# KiCad board AmigaPCI 68040.kicad_pcb (continued)
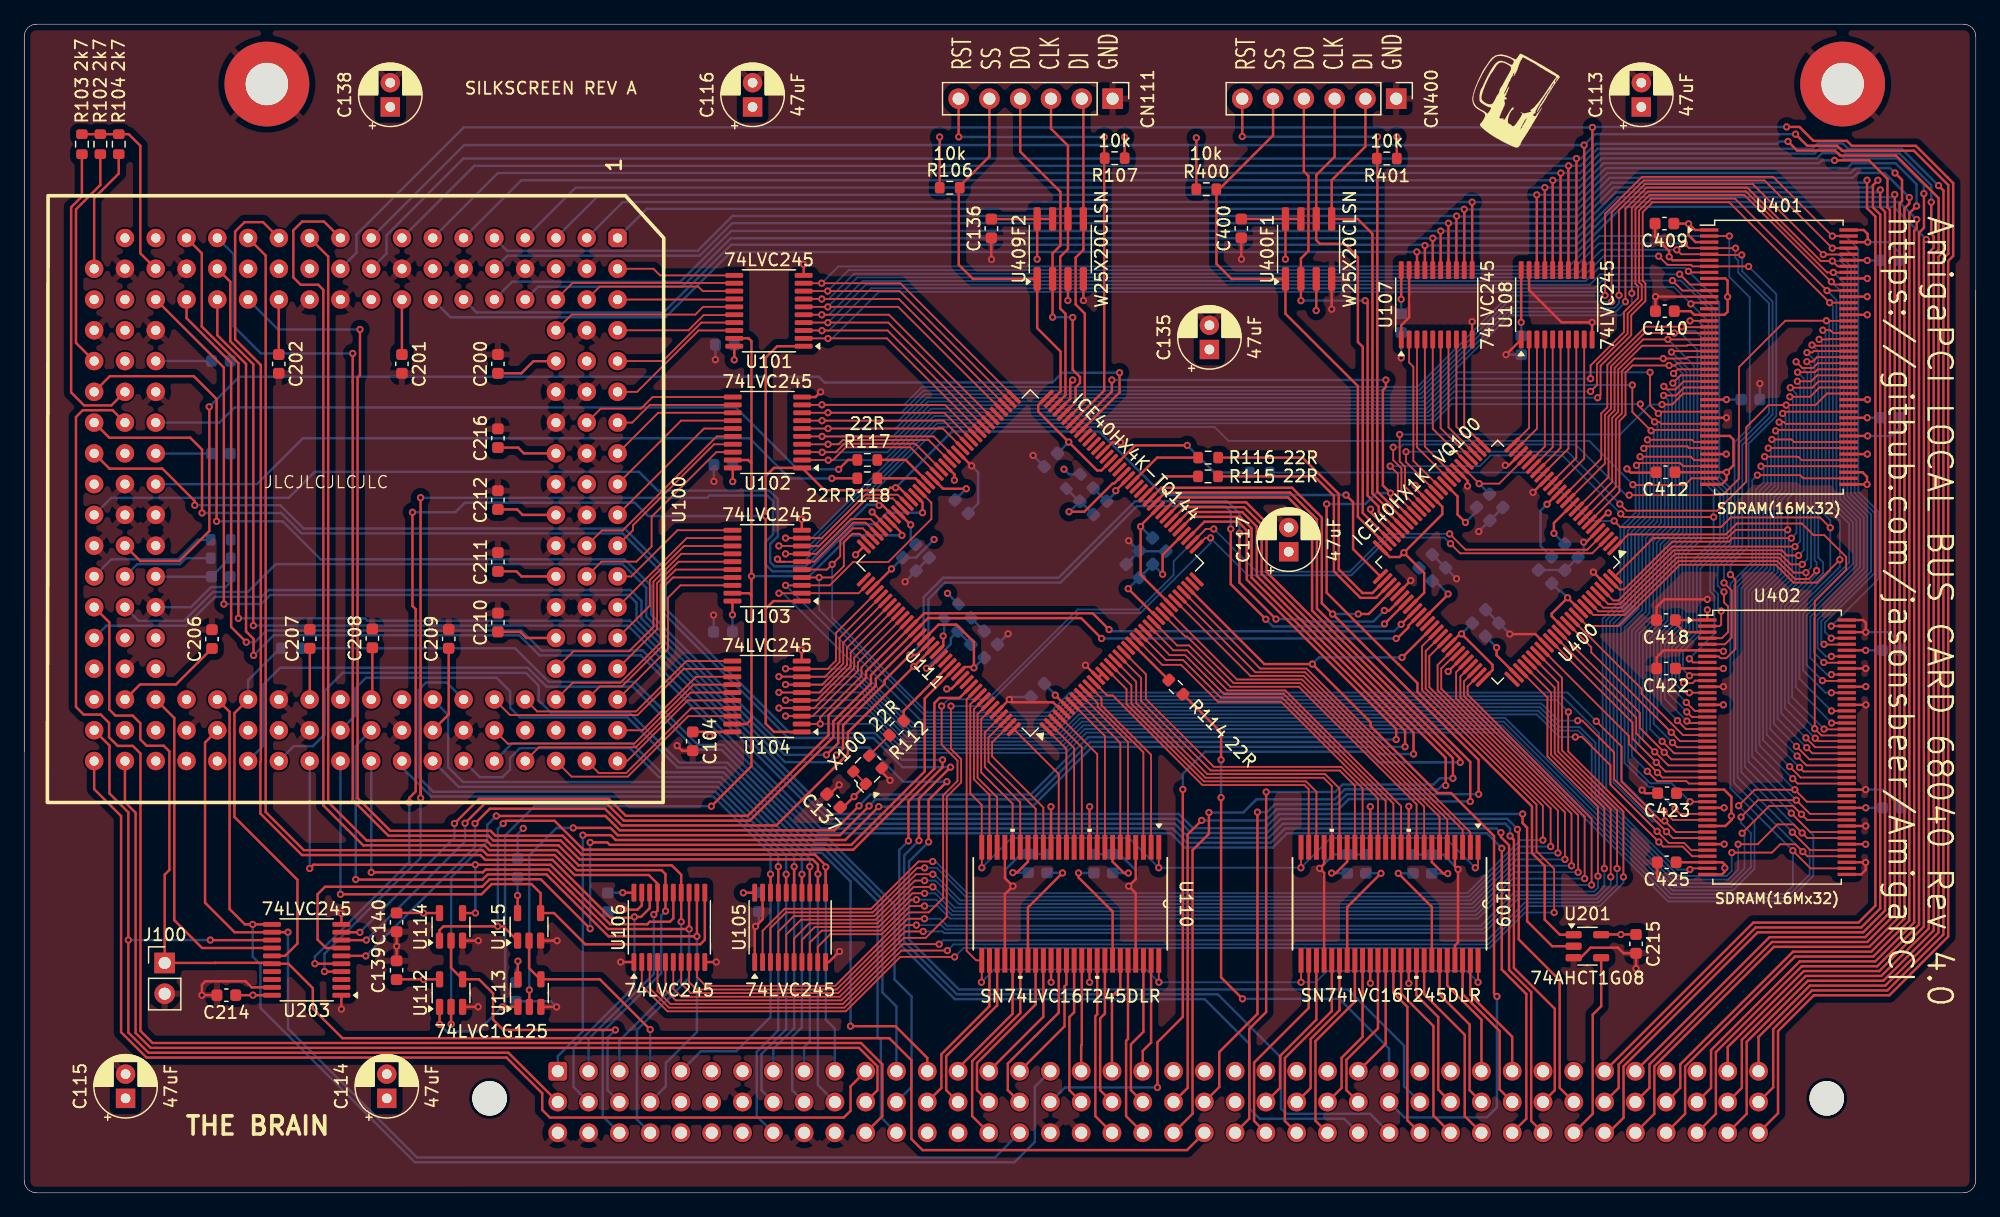
[diagram p0: board, top side]
## Routing (per net, layer and track width the routed paths; a pad name or vN(x,y) marks a point on that pad's centre or on a via; arc(x,y) is an arc through that point) (continued)
LVDA28: length 154.3
  Top w0.15: U111.119 69.07,43.37 69.07,42.66 65.67,39.26 v1(65.67,38.71) 65.66,38.7 U104.2 ; v1(145.78,31.34) 147.34,29.78 U402.51 ; U401.51 146.01,61.98 145.8,62.19 v1(144.18,62.19)
  Bottom w0.15: v1(65.67,38.71) 69.98,38.71 72.38,36.31 85.94,36.31 87.62,37.99 121.68,37.99 135.62,24.05 145.48,24.05 147.6,26.17 147.6,29.53 v1(145.78,31.34) 141.95,35.17 141.95,49.79 143.76,51.6 143.76,57.67 144.41,58.32 144.41,61.96 v1(144.18,62.19)
LVDA29: length 157.3
  Top w0.15: v1(141.72,29.69) 143.97,31.93 145.93,31.93 v1(146.62,31.25) 147.08,30.78 U402.53 ; 64.15,42.61 62.26,42.61 ; v1(144.48,62.9) 144.56,62.98 U401.53 ; U111.113 67.27,45.81 67.27,43.81 66.06,42.6 U104.8
  Bottom w0.15: v1(62.26,42.61) 68.62,42.61 73.08,38.15 85.24,38.15 86.88,39.79 124.91,39.79 126.55,38.15 128.2,38.15 129.32,37.03 129.32,32.48 136.24,25.56 140.7,25.56 141.92,26.78 141.92,29.49 v1(141.72,29.69) ; v1(144.48,62.9) 144.71,62.68 144.71,58.2 144.06,57.55 144.06,51.47 142.25,49.67 142.25,35.61 v1(146.62,31.25)
LVDA30: length 155.7
  Top w0.15: 64.15,41.3 62.26,41.3 ; U401.54 145.32,63.48 145.18,63.62 v1(144.78,63.62) ; v1(141.63,31.02) 143.03,32.41 v1(146.2,32.41) 147.33,31.28 U402.54 ; U111.115 67.87,44.99 67.87,43.56 65.61,41.3 U104.6
  Bottom w0.15: v1(146.2,32.41) 142.55,36.06 142.55,49.54 144.36,51.35 144.36,57.42 145.01,58.07 145.01,63.4 v1(144.78,63.62) ; v1(141.63,31.02) 141.63,30.52 142.45,29.7 142.45,26.88 140.83,25.26 136.11,25.26 122.18,39.19 87.13,39.19 85.49,37.55 72.84,37.55 69.08,41.31 v1(62.26,41.31)
LVDA31: length 155.9
  Top w0.15: U111.116 68.17,44.59 68.17,43.55 68.17,43.54 68.17,43.44 65.38,40.65 U104.5 ; 64.16,40.66 62.82,40.66 ; v1(145.06,64.34) 145.21,64.48 U401.56 ; v1(141.44,31.95) 142.76,33.27 v1(146.08,33.27) 147.07,32.28 U402.56
  Bottom w0.15: v1(145.06,64.34) 145.31,64.1 145.31,57.95 144.66,57.3 144.66,51.22 142.85,49.42 142.85,36.49 146.07,33.27 v1(146.08,33.27) ; v1(62.81,40.67) 69.3,40.67 72.71,37.25 85.61,37.25 87.25,38.89 122.06,38.89 135.99,24.96 140.95,24.96 142.75,26.75 142.75,30.64 v1(141.44,31.95)
LVDB0: length 33.1
  Top w0.15: U109.2 119.3,29.76 105.79,43.27 101.97,43.27 U111.33
LVDB1: length 31.5
  Top w0.15: U111.28 95.79,45.92 95.93,45.92 99.78,42.07 105.3,42.07 115.49,31.88 U109.8
LVDB2: length 32.2
  Top w0.15: U111.31 101.16,42.67 105.54,42.67 117.4,30.82 U109.5
LVDB3: length 32.8
  Top w0.15: U109.3 118.67,29.97 105.67,42.97 101.56,42.97 U111.32
LVDB4: length 32.1
  Top w0.15: U109.6 116.76,31.03 105.42,42.37 100.04,42.37 U111.29
LVDB5: length 30.3
  Top w0.15: U109.11 113.59,31.92 104.03,41.47 99.25,41.47 95.93,44.78 94.8,44.78 U111.25
LVDB6: length 31.5
  Top w0.15: U109.9 114.86,29.75 114.87,29.76 114.87,32.08 105.17,41.77 99.51,41.77 96.1,45.18 95.11,45.18 U111.26
LVDB7: length 30
  Top w0.15: U109.12 112.95,32.13 103.91,41.17 98.98,41.17 95.77,44.38 94.5,44.38 U111.24
LVDB8: length 29.7
  Top w0.15: U111.23 94.19,43.98 95.6,43.98 98.71,40.87 103.79,40.87 112.32,32.34 U109.13
LVDB9: length 29.4
  Top w0.15: U111.22 93.88,43.58 95.44,43.58 98.49,40.53 103.7,40.53 111.68,32.55 U109.14
LVDB10: length 30
  Top w0.15: U109.17 109.78,33.61 108.52,34.86 97.87,34.86 92.14,40.6 92.14,42.5 U111.18
LVDB11: length 30.4
  Top w0.15: U109.16 110.41,33.4 108.65,35.16 98.14,35.16 92.54,40.76 92.54,42.81 U111.19
LVDB12: length 28.3
  Top w0.15: U109.20 107.87,33.58 107.19,34.26 97.45,34.26 91.34,40.37 91.34,41.88 U111.16
LVDB13: length 26.2
  Top w0.15: U109.23 105.97,33.32 105.62,33.66 97.2,33.66 89.81,41.05 89.34,41.05 U111.12
LVDB14: length 14.2
  Top w0.15: U110.5 91.06,37.21 U111.9
LVDB15: length 14.9
  Top w0.15: U110.3 92.33,36.37 88.56,40.13 88.56,40.42 U111.10
LVDB16: length 28.7
  Top w0.15: U109.19 108.51,33.37 107.32,34.56 97.61,34.56 91.74,40.43 91.74,42.19 U111.17
LVDB17: length 15.4
  Top w0.15: U111.11 88.88,40.81 88.88,40.25 92.97,36.16 U110.2
LVDB18: length 26.8
  Top w0.15: U109.22 106.6,30.31 106.61,30.31 106.61,33.1 105.75,33.96 97.32,33.96 90.94,40.35 90.94,41.58 U111.15
LVDB19: length 13
  Top w0.15: U110.8 89.16,37.7 U111.7
LVDB20: length 11.4
  Top w0.15: U111.3 87.25,36.78 U110.11
LVDB21: length 12.6
  Top w0.15: U110.19 82.17,32.22 79.25,35.15 79.25,37.99 U111.141
LVDB22: length 10.9
  Top w0.15: U110.12 86.62,36.71 U111.2
LVDB23: length 12.1
  Top w0.15: U111.4 88.52,36.22 U110.9
LVDB24: length 12.9
  Top w0.15: U111.138 78.65,39.51 78.65,34.26 80.27,32.64 U110.22
LVDB25: length 13.7
  Top w0.15: U111.8 90.43,37.14 U110.6
LVDB26: length 13
  Top w0.15: U110.20 81.54,32.12 78.95,34.7 78.95,39.1 U111.139
LVDB27: length 11.3
  Top w0.15: U110.14 85.35,34.57 U111.144
LVDB28: length 13.1
  Top w0.15: U110.23 79.63,32.85 78.35,34.14 78.35,39.92 U111.137
LVDB29: length 10.4
  Top w0.15: U110.13 85.98,36.64 U111.1
LVDB30: length 12.6
  Top w0.15: U110.17 83.44,31.7 79.55,35.59 79.55,37.58 U111.142
LVDB31: length 12.4
  Top w0.15: U110.16 84.08,31.8 79.85,36.03 79.85,37.18 U111.143
PCLK: length 60.8
  Top w0.2: R118.2 66.64,58.98 v1(66.63,58.97)
  Bottom w0.2: v1(66.63,58.97) 63.16,58.97 59.84,62.29 22.99,62.29 19.2,58.5 U100.135
PORTSIZE: length 124.3
  Top w0.2: v1(114.62,36.22) 114.62,37.99 101.69,50.92 101.69,54.99 100.48,56.2 96.05,56.2 U111.42 ; v1(46.09,29.52) 48.4,29.52 48.8,29.12 67.74,29.12 v1(70.49,31.88)
  Bottom w0.2: v1(70.49,31.88) 83.17,31.88 88.11,36.82 111.02,36.82 111.61,36.22 v1(114.62,36.22) ; v1(46.09,29.52) 46.09,13.35 44.02,11.28 CN100.a1
R_W: length 30.6
  Top w0.2: U100.112 17.34,39.59 17.34,31.03 22.54,25.83 22.54,20.57 21.52,19.56 20.44,19.56
  Bottom w0.2: U100.112 18.47,42.31 21.11,44.95
R_W-3V: length 175.9
  Top w0.2: 61.17,48.21 v1(61.17,55.86) 61.17,59.16 ; 61.17,48.21 61.17,38.73 61.85,38.05 U104.1 ; 61.17,48.21 61.8,48.85 U103.1 ; U111.97 72.19,58.2 v1(71.89,58.2) 71.44,58.2 71.24,58 66.02,58 U102.1 61.85,59.84 61.17,59.16 ; v1(32.03,56.18) 32.03,48.44 32.3,48.17 32.3,33.13 31.78,32.61 v1(31.78,32.22) ; v1(109.05,57.6) 109.63,57.02 109.63,53.14 111.89,50.88 ; v1(23.98,18.91) 23.98,18.91 U203.5 ; 61.17,59.16 61.17,68.94 62.11,69.89 U101.1
  Bottom w0.2: v1(23.98,18.91) 23.98,19.5 31.77,27.29 31.77,32.22 v1(31.78,32.22) ; v1(71.89,58.2) 76.54,62.85 88.69,62.85 93.93,57.6 v1(109.05,57.6) ; v1(32.03,56.18) 35.57,56.18 36.36,56.97 50.37,56.97 51.48,55.86 v1(61.17,55.86)
RAMCLKA: length 88
  Top w0.15: 150.33,38.26 148.51,38.26 v1(148.49,38.28) ; U401.68 148.88,70.48 148.85,70.45 v1(148.08,70.45) ; v1(149,54.9) 148.15,55.75 140.78,55.75 139.98,54.96 131.67,54.96 v1(131.17,55.46)
  Bottom w0.15: v1(148.08,70.45) 148.31,70.22 148.31,56.21 149,55.52 v1(149,54.9) 149,51.32 145.85,48.18 145.85,40.92 v1(148.49,38.28) ; v1(131.17,55.46) 129.21,55.46 125.21,59.46 R113.2
RAMCLKB: length 22.4
  Top w0.2: U400.52 111.23,49.51 110.41,49.51 108.45,51.47 108.45,57.7 105.45,60.69 R116.2
SIZ0: length 96.1
  Top w0.2: U203.12 17.35,21.51 14.92,23.94 14.92,37.17 U100.119 ; v1(21.76,21.51) 20.44,21.51
  Bottom w0.2: v1(21.76,21.51) 21.76,13.56 32.4,2.91 80.08,2.91 CN100.c16
SIZ0-3V: length 104.7
  Top w0.2: v1(36.36,30.51) 37.96,32.11 48.08,32.11 49.46,30.72 59.85,30.72 66.75,37.62 66.75,38.93 69.85,42.03 69.85,42.74 U111.121 74.56,47.44 87.2,47.44 v1(88.88,45.76) ; v1(113.19,45.76) 113.28,45.76 114.2,46.68 114.2,46.82 U400.60 ; U203.8 28.21,20.86 v1(28.22,20.86)
  Bottom w0.2: v1(88.88,45.76) v1(113.19,45.76) ; v1(28.22,20.86) 36.36,29.01 v1(36.36,30.51)
SIZ1: length 105.1
  Top w0.2: U100.118 16.94,39.71 16.94,23.42 18.2,22.16 v1(18.85,22.16) U203.11
  Bottom w0.2: v1(18.85,22.16) 18.85,19.48 19.49,18.84 19.49,15.26 32.24,2.51 81.69,2.51 83.38,4.2 83.38,8.75 CN100.a17
SIZ1-3V: length 103.9
  Top w0.2: v1(27.69,21.5) 27.68,21.51 U203.9 ; v1(35.49,30.48) 37.51,32.51 48.24,32.51 49.63,31.12 59.69,31.12 66.35,37.79 66.35,39.41 69.45,42.51 69.45,43.04 U111.120 74.25,47.84 88.15,47.84 v1(89.5,46.49) ; U400.59 v1(113.6,46.93)
  Bottom w0.2: v1(89.5,46.49) 89.63,46.36 113.02,46.36 v1(113.6,46.93) ; v1(27.69,21.5) 35.49,29.3 v1(35.49,30.48)
TM0: length 81.1
  Bottom w0.2: U100.114 19.72,36.89 19.72,41.95 21.11,43.34 41.53,43.34 43.09,41.78 50.21,41.78 55.41,36.58 57.51,36.58 65.22,28.87 66.13,28.87 70.8,24.2 70.8,16.54 71.96,15.38 CN100.a12
TM1: length 82.8
  Bottom w0.2: U100.108 22.24,36.87 23.82,36.87 24.79,37.84 24.79,41.44 26.27,42.92 41.39,42.92 42.45,41.86 42.45,40.64 43.44,39.64 49.93,39.64 54.07,35.51 58.02,35.51 65.06,28.47 65.96,28.47 70.4,24.04 70.4,12.89 70.67,12.62 70.67,6.24 CN100.c12
TM2: length 73.4
  Top w0.2: CN100.a13 74.5,11.13 71.87,13.75 v1(68.17,13.75)
  Bottom w0.2: U100.95 27.31,39.4 27.31,41.63 28.2,42.52 38.97,42.52 40.09,41.4 40.09,40.04 40.89,39.24 49.77,39.24 53.9,35.11 57.85,35.11 64.89,28.07 65.8,28.07 68.17,25.7 68.17,16.12 v1(68.17,13.75)
TT0: length 167.4
  Top w0.2: v1(121.9,28.44) 121.9,18.43 123.92,16.41 123.92,6.12 CN100.c32 ; U100.117 15.93,70.8 18.3,68.43 18.3,46.35 18.92,45.73 v1(18.92,44.36)
  Bottom w0.2: v1(121.9,28.44) 121.9,28.45 120.68,29.67 104.18,29.67 103.01,28.5 95.76,28.5 94.59,29.67 65.55,29.67 50.86,44.36 42.51,44.36 40.85,46.02 20.58,46.02 v1(18.92,44.36)
TT1: length 166.8
  Top w0.2: v1(122.58,29.46) 122.9,29.14 122.9,18.56 126.27,15.19 126.27,8.47 CN100.b33 ; U100.116 17,75.21 17,70.29 18.9,68.39 v1(18.9,46.82)
  Bottom w0.2: v1(18.9,46.82) 48.52,46.82 48.53,46.81 49.81,46.81 66.15,30.47 94.92,30.47 96.09,29.3 102.68,29.3 103.85,30.47 122.19,30.47 122.58,30.08 v1(122.58,29.46)
UPA0: length 168.4
  Top w0.2: CN100.c33 124.32,5.93 124.32,16.57 122.5,18.4 122.5,28.69 121.83,29.36 v1(121.83,29.73) ; U100.123 13.39,72.21 17.07,68.53 17.07,46.71 v1(18.32,45.46)
  Bottom w0.2: v1(18.32,45.46) 19.02,45.46 19.99,46.42 41.02,46.42 42.68,44.76 50.86,44.76 50.87,44.77 51.05,44.77 51.05,44.74 65.72,30.07 94.75,30.07 95.92,28.9 102.84,28.9 104.01,30.07 121.49,30.07 v1(121.83,29.73)
UPA1: length 171.3
  Top w0.2: CN100.b34 126.67,8.66 126.67,17.54 123.3,20.91 123.3,29.89 v1(123.18,30) ; U100.121 14.65,77.56 14.65,71.51 17.67,68.49 v1(17.67,47.42)
  Bottom w0.2: v1(17.67,47.42) 28.12,47.42 28.32,47.22 49.97,47.22 49.97,47.21 66.32,30.87 95.09,30.87 96.25,29.7 102.51,29.7 103.68,30.87 122.35,30.87 123.18,30.04 v1(123.18,30)
Net-(CN100-Pin_b12): length 75.1
  Bottom w0.2: R111.1 40.49,44.95 43.26,42.18 50.37,42.18 55.58,36.98 57.68,36.98 65.39,29.27 66.29,29.27 71.8,23.77 71.8,17.61 73.21,16.2 73.21,8.74 CN100.b12
Net-(U111-GNDPLL0): length 4.2
  Top w0.2: 91.07,58.98 v1(90.05,57.96)
  Bottom w0.2: v1(90.05,57.96) 90.05,57.83 C133.2 ; 89.28,57.09 C134.2
Net-(U111-GNDPLL1): length 7.3
  Top w0.2: v1(74.44,43.3) 74.66,43.3 U111.127
  Bottom w0.2: 77.02,46.36 C131.2 ; C132.2 76.45,45.79 76.45,45.31 v1(74.44,43.3)
Net-(U111-IO1_140_GBIN3): length 5
  Top w0.2: U111.93 72.72,60.5 R117.1
Net-(U111-IO1_141_GBIN2): length 4.1
  Top w0.2: R118.1 73.53,58.98 U111.94
Net-(U111-IO2_81_GBIN5): length 5
  Top w0.2: R115.1 94.04,59.14 U111.49
Net-(U111-IO2_82_GBIN4): length 6.3
  Top w0.2: U111.52 93.47,60.69 R116.1
Net-(U111-IO2_94): length 13.1
  Top w0.2: v1(95.95,61.7) 91.65,61.7 U111.56
  Bottom w0.15: 98.21,59.44 98.05,59.6
  Bottom w0.2: 98.19,59.46 v1(95.95,61.7) ; 98.19,59.46 R113.1 ; 98.19,59.46 98.05,59.6
Net-(U111-IO3_14A_GBIN6): length 4.2
  Top w0.2: R114.1 91.42,45.33
Net-(U111-VCCPLL0): length 10.1
  Top w0.2: v1(86.2,56.22) 87.46,56.22 89.8,58.56 89.92,58.56 U111.54
  Bottom w0.2: 87.12,57.08 C133.1 ; 87.03,57.08 R109.2 ; v1(86.2,56.22) 86.24,56.22 C134.1
Net-(U111-VCCPLL1): length 6.8
  Top w0.2: U111.126 75.83,45.17 75.83,45.94 v1(75.81,45.96)
  Bottom w0.2: 78.09,47.43 R108.1 75.9,46.05 v1(75.81,45.96) ; 78.12,47.45 C131.1
Net-(X100-OUT): length 2.2
  Top w0.15: 69.84,36.23 71.39,37.77

## Copper pours and planes (outline as drawn; the poured copper is in the pictures)
+1V2 on In2.Cu: 70.82,51.85 82.97,64.1 94.52,51.66 82.53,39.92
+1V2 on In2.Cu: 114.06,51.69 121.52,44.02 129.51,52.13 122.04,59.71
+3V3 on In2.Cu: -0.01,96.47 0,0 161,-0.04 161,96.42
+5V on In3.Cu: -0.01,96.47 0,0 161,0.01 161,96.47
GND on Top: 0.01,96.47 0.02,0 161,0.01 161,96.47
GND on Bottom: -0.01,96.47 0,0 160.97,-0.03 160.97,96.43
GND on In1.Cu: 0,96.47 0.01,0 161,-0.04 161,96.42
GND on In4.Cu: 0,96.47 0.01,0 161,0.01 161,96.47

## Text on the board
B.Silkscreen: CONNECTOR THIS SIDE!
F.Fab: U401
F.Silkscreen: JLCJLCJLCJLC | SILKSCREEN REV A | RST / SS / DO / CLK / DI / GND | 1 | THE BRAIN | AmigaPCI LOCAL BUS CARD 68040 Rev 4.0 / https://github.com/jasonsbeer/AmigaPCI
